# Altium PCB в2буекяиголоп.PcbDoc (continued)
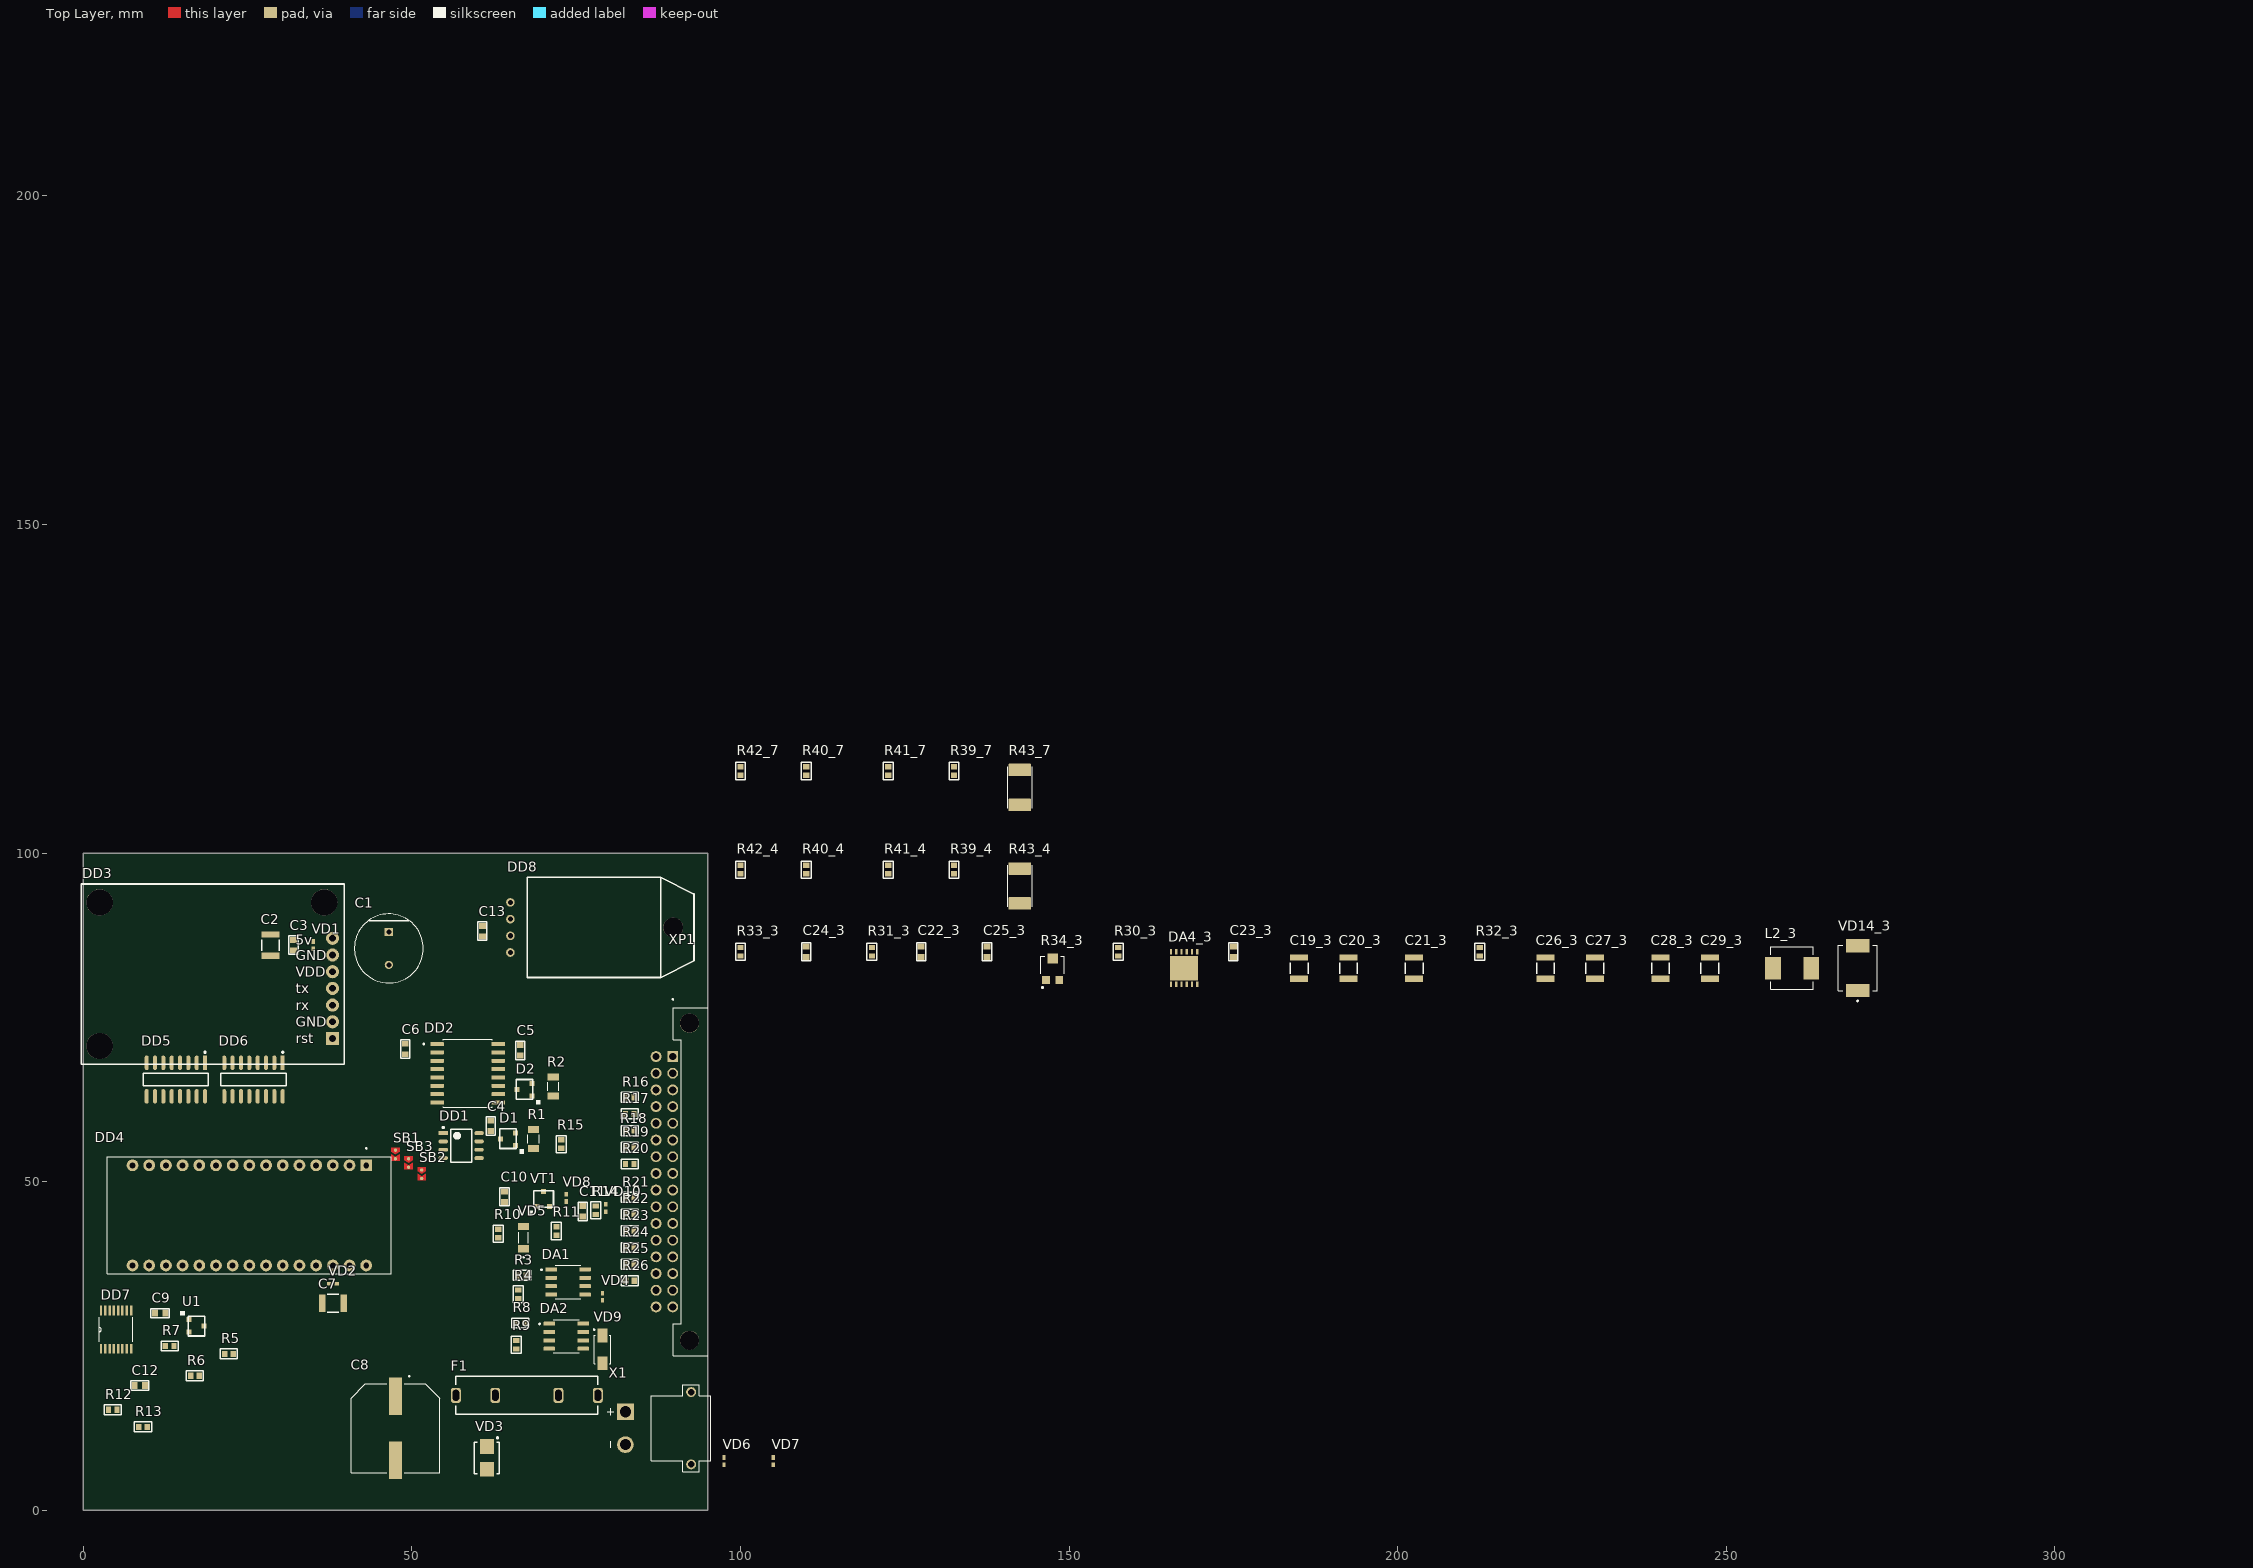
[diagram p0: Top Layer view]
## Components (designator, comment, footprint, x,y, rotation, side; value= is the part's Value field where it differs from the comment) (continued)
R35_2 "Resistor" 0603R 254.734,158.134 r90 bottom value="15 к" (schematic designator R35)
R35_3 "Resistor" 0603R 254.734,170.326 r90 bottom value="15 к" (schematic designator R35)
R35_4 "Resistor" 0603R 162.786,182.518 r90 bottom value="15 к" (schematic designator R35)
R35_5 "Resistor" 0603R 254.734,194.71 r90 bottom value="15 к" (schematic designator R35)
R35_6 "Resistor" 0603R 254.734,206.902 r90 bottom value="15 к" (schematic designator R35)
R35_7 "Resistor" 0603R 162.786,219.094 r90 bottom value="15 к" (schematic designator R35)
R36_1 "Resistor" 0603R 221.079,145.942 r90 bottom value="15 к" (schematic designator R36)
R36_2 "Resistor" 0603R 224.127,158.134 r90 bottom value="15 к" (schematic designator R36)
R36_3 "Resistor" 0603R 224.127,170.326 r90 bottom value="15 к" (schematic designator R36)
R36_4 "Resistor" 0603R 193.647,182.518 r90 bottom value="15 к" (schematic designator R36)
R36_5 "Resistor" 0603R 224.127,194.71 r90 bottom value="15 к" (schematic designator R36)
R36_6 "Resistor" 0603R 224.127,206.902 r90 bottom value="15 к" (schematic designator R36)
R36_7 "Resistor" 0603R 193.647,219.094 r90 bottom value="15 к" (schematic designator R36)
R37_1 "Resistor" 0603R 172.565,145.942 r90 bottom value="15 к" (schematic designator R37)
R37_2 "Resistor" 0603R 173.581,158.134 r90 bottom value="15 к" (schematic designator R37)
R37_3 "Resistor" 0603R 173.581,170.326 r90 bottom value="15 к" (schematic designator R37)
R37_4 "Resistor" 0603R 151.864,182.518 r90 bottom value="15 к" (schematic designator R37)
R37_5 "Resistor" 0603R 173.581,194.71 r90 bottom value="15 к" (schematic designator R37)
R37_6 "Resistor" 0603R 173.581,206.902 r90 bottom value="15 к" (schematic designator R37)
R37_7 "Resistor" 0603R 151.864,219.094 r90 bottom value="15 к" (schematic designator R37)
R38_1 "Resistor" 0603R 240.383,145.942 r90 bottom value="1,0 к" (schematic designator R38)
R38_2 "Resistor" 0603R 243.939,158.134 r90 bottom value="1,0 к" (schematic designator R38)
R38_3 "Resistor" 0603R 243.939,170.326 r90 bottom value="1,0 к" (schematic designator R38)
R38_4 "Resistor" 0603R 214.475,180.105 r90 bottom value="1,0 к" (schematic designator R38)
R38_5 "Resistor" 0603R 243.939,194.71 r90 bottom value="1,0 к" (schematic designator R38)
R38_6 "Resistor" 0603R 243.939,206.902 r90 bottom value="1,0 к" (schematic designator R38)
R38_7 "Resistor" 0603R 214.475,216.681 r90 bottom value="1,0 к" (schematic designator R38)
R39_1 "Resistor" 0603R 202.41,145.942 r90 bottom value="1,0 к" (schematic designator R39)
R39_2 "Resistor" 0603R 204.442,158.134 r90 bottom value="1,0 к" (schematic designator R39)
R39_3 "Resistor" 0603R 204.442,170.326 r90 bottom value="1,0 к" (schematic designator R39)
R39_4 "Resistor" 0603R 132.5,97.5 r90 top value="1,0 к" (schematic designator R39)
R39_5 "Resistor" 0603R 204.442,194.71 r90 bottom value="1,0 к" (schematic designator R39)
R39_6 "Resistor" 0603R 204.442,206.902 r90 bottom value="1,0 к" (schematic designator R39)
R39_7 "Resistor" 0603R 132.5,112.5 r90 top value="1,0 к" (schematic designator R39)
R40_1 "Resistor" 0603R 162.278,145.942 r90 bottom value="1,0 к" (schematic designator R40)
R40_2 "Resistor" 0603R 162.786,158.134 r90 bottom value="1,0 к" (schematic designator R40)
R40_3 "Resistor" 0603R 162.786,170.326 r90 bottom value="1,0 к" (schematic designator R40)
R40_4 "Resistor" 0603R 110,97.5 r90 top value="1,0 к" (schematic designator R40)
R40_5 "Resistor" 0603R 162.786,194.71 r90 bottom value="1,0 к" (schematic designator R40)
R40_6 "Resistor" 0603R 162.786,206.902 r90 bottom value="1,0 к" (schematic designator R40)
R40_7 "Resistor" 0603R 110,112.5 r90 top value="1,0 к" (schematic designator R40)
R41_1 "Resistor" 0603R 192.123,145.942 r90 bottom value="10 к" (schematic designator R41)
R41_2 "Resistor" 0603R 193.647,158.134 r90 bottom value="10 к" (schematic designator R41)
R41_3 "Resistor" 0603R 193.647,170.326 r90 bottom value="10 к" (schematic designator R41)
R41_4 "Resistor" 0603R 122.5,97.5 r90 top value="10 к" (schematic designator R41)
R41_5 "Resistor" 0603R 193.647,194.71 r90 bottom value="10 к" (schematic designator R41)
R41_6 "Resistor" 0603R 193.647,206.902 r90 bottom value="10 к" (schematic designator R41)
R41_7 "Resistor" 0603R 122.5,112.5 r90 top value="10 к" (schematic designator R41)
R42_1 "Resistor" 0603R 151.864,145.942 r90 bottom value="5,1 к" (schematic designator R42)
R42_2 "Resistor" 0603R 151.864,158.134 r90 bottom value="5,1 к" (schematic designator R42)
R42_3 "Resistor" 0603R 151.864,170.326 r90 bottom value="5,1 к" (schematic designator R42)
R42_4 "Resistor" 0603R 100,97.5 r90 top value="5,1 к" (schematic designator R42)
R42_5 "Resistor" 0603R 151.864,194.71 r90 bottom value="5,1 к" (schematic designator R42)
R42_6 "Resistor" 0603R 151.864,206.902 r90 bottom value="5,1 к" (schematic designator R42)
R42_7 "Resistor" 0603R 100,112.5 r90 top value="5,1 к" (schematic designator R42)
R43_1 "Resistor" 2512R 211.935,143.529 r90 bottom value=510 (schematic designator R43)
R43_2 "Resistor" 2512R 214.475,155.721 r90 bottom value=510 (schematic designator R43)
R43_3 "Resistor" 2512R 214.475,167.913 r90 bottom value=510 (schematic designator R43)
R43_4 "Resistor" 2512R 142.5,95 r90 top value=510 (schematic designator R43)
R43_5 "Resistor" 2512R 214.475,192.297 r90 bottom value=510 (schematic designator R43)
R43_6 "Resistor" 2512R 214.475,204.489 r90 bottom value=510 (schematic designator R43)
R43_7 "Resistor" 2512R 142.5,110 r90 top value=510 (schematic designator R43)
R44 "Resistor" 0603R 58.893,26.007 r90 bottom value="1,0 к"
R45 "TC33X-2-102E" 3mm_trim 71.8,23.55 r0 bottom value="1 к"
R46 "Resistor" 0603R 71.2,20.65 r180 bottom value="10 к"
R47 "Resistor" 0603R 70,27.4 r90 bottom value="100 к"
R48 "Resistor" 0603R 37.106,11.246 r90 bottom value="10 к"
R49 "Resistor" 0603R 37.1,8.2 r90 bottom value=470
R50 "TC33X-2-101E" 3mm_trim 36.2,4.5 r0 bottom value=100
SB1 "SB" 0805SB 46.875,55.2 r270 top
SB2 "SB" 0805SB 50.875,52.2 r270 top
SB3 "SB" 0805SB 48.875,53.9 r270 top
U1 "UMW TL431 0.5%" SOT23-3 16.067,29.022 r0 top
VD1 "PESD5V0S1UB" SOD523 35,86 r270 top value="5 В"
VD2 "PESD5V0S1UB" SOD523 38,34.5 r0 top value="5 В"
VD3 "SMBJ13A-TR" SMB 61.433,7.978 r270 top value="13 В"
VD4 "PESD5V0S1UB" SOD523 79,32.5 r270 top value="5 В"
VD5 "BZV55B2V4" mini_MELF_3.5mm 67,41.5 r90 top value="2.4 В"
VD6 "PESD5V0S1UB" SOD523 97.5,7.5 r90 top value="5 В"
VD7 "PESD5V0S1UB" SOD523 105,7.5 r90 top value="5 В"
VD8 "PESD5V0S1UB" SOD523 73.5,47.55 r270 top value="5 В"
VD9 "SMAJ12CA" SMA 79,24.5 r270 top value="12 В"
VD10 "PESD5V0S1UB" SOD523 79.5,46 r270 top value="5 В"
VD11 "SMAJ12CA" SMA 92.5,64 r270 bottom value="12 В"
VD12 "BAT54WS" SOD-323 23.1,25.775 r0 bottom
VD13 "10S45SP" TO-277 3.6,20 r90 bottom
VD14_1 "SK810" SMC 312.096,116.351 r90 bottom (schematic designator VD14)
VD14_2 "SK810" SMC 320.732,130.575 r90 bottom (schematic designator VD14)
VD14_3 "SK810" SMC 270,82.5 r90 top (schematic designator VD14)
VD15 "BAT54WS" SOD-323 68.3,30.65 r0 bottom
VD16 "15MQ040N" SMA 47.4,26.75 r270 bottom
VD17 "15MQ040N" SMA 47,16.8 r180 bottom
VT1 "bc807" SOT23-3 69.047,46.214 r90 top
X1 "XT30PW-M" XT30PW-M 92.5,12.5 r270 top
XP1 "DIN41612_32_2row_right_angle_father" DIN41612_32_2row_right_angle_father 95,50 r90 top

## Footprints (in the part's own frame and the unit in brackets; to place one, negate y for a bottom-side part, rotate by r counter-clockwise, add the part's x,y. Pads: shape width x height; smd on the part's side, far side on the other; paste and mask are expansions set on the pad)
3mm_trim [mm]
  rect 1.2x1.2 smd: 1(-1.8,1) 3(-1.8,-1)
  rect 1.5x1.6 smd: 2(1.45,0)
  silkscreen extent -3.07,-1.8 1.8,1.8, body extent -1.9,-1.5 1.9,1.5, height 1.19
8SOP(Exposed_Pad) [mm]
  rect 1.55x0.6 smd: 1(-2.7,1.905) 2(-2.7,0.635) 3(-2.7,-0.635) 4(-2.7,-1.905) 5(2.7,-1.905) 6(2.7,-0.635) 7(2.7,0.635) 8(2.7,1.905)
  rect 2.3x2.3 smd paste-2: 9(0,0)
  silkscreen extent -1.55,-2.45 1.55,2.45, body extent -3,-2.45 3,2.45, height 1.75
10x20_radial [mm]
  rect 1.25x1.25 hole 0.75 paste-2539.97 mask+0: 1(-2.5,0)
  round 1.25 hole 0.75 paste-2539.97 mask+0: 2(2.5,0)
  silkscreen extent -5.25,-5.25 5.25,5.25, body extent -5.35,-5.35 5.35,5.35, height 0.25
0603C [mm] "Chip Resistor, 2-Leads, Body 1,40x0,80mm, IPC Medium Density"
  rect 0.9x1.05 smd: 1(-0.8,0) 2(0.8,0)
  silkscreen extent -1.4,-0.7 1.4,0.7, body extent -0.85,-0.45 0.85,0.45, height 0.9
0603R [mm] "Chip Resistor, 2-Leads, Body 1.60x0.85mm, IPC Medium Density"
  rect 0.8x0.95 smd: 1(-0.65,0) 2(0.65,0)
  silkscreen extent -1.3,-0.75 1.3,0.75, body extent -0.87,-0.47 0.88,0.48, height 0.9
0805SB [mm]
  round 0.5 smd: 1(0.4,0.625) 2(1.7,0.625)
  Top Layer region: 1,1.25 1.4,0.625 1,0 2,0 2,1.25
  Top Layer region: 0,1
  Top Layer region: 0,1.25
  Top Layer region: 0,1.25 0,0 0.6,0 1,0.625 0.6,1.25
1206C [mm]
  rect 1.4x2 smd paste+0 mask+0: 1(-1.8,0) 2(1.8,0)
  silkscreen extent -0.85,-1.35 0.85,1.35, body extent -1.6,-0.74 1.6,0.86, height 1.59
1206R [mm]
  rect 1.05x1.72 smd: 1(-1.46,0) 2(1.46,0)
  silkscreen extent -0.62,-0.85 0.62,0.85, body extent -1.55,-0.77 1.55,0.78, height 0.65
1210C [mm]
  rect 0.954x2.706 smd paste+0 mask+0: 1(-1.625,0) 2(1.625,0)
  silkscreen extent -0.85,-1.35 0.85,1.35, body extent -2.35,-1.6 2.35,1.6, height 0.25
2512R [mm]
  rrect7% 1.9x3.37 smd: 1(-2.66,0) 2(2.66,0)
  silkscreen extent -3.15,-1.87 3.15,1.87, body extent -3.18,-1.6 3.17,1.6, height 0.65
arduino_nano [mm]
  rect 1.8x1.8 / inner round 1.8 / far side rect 1.8x1.8 hole 0.9: 1(-7.62,17.78)
  round 1.8 hole 0.9: 2(-7.62,15.24) 3(-7.62,12.7) 4(-7.62,10.16) 5(-7.62,7.62) 6(-7.62,5.08) 7(-7.62,2.54) 8(-7.62,0) 9(-7.62,-2.54) 10(-7.62,-5.08) 11(-7.62,-7.62) 12(-7.62,-10.16) 13(-7.62,-12.7) 14(-7.62,-15.24) 15(-7.62,-17.78) 16(7.62,-17.78) 17(7.62,-15.24) 18(7.62,-12.7) 19(7.62,-10.16) 20(7.62,-7.62) 21(7.62,-5.08) 22(7.62,-2.54) 23(7.62,0) 24(7.62,2.54) 25(7.62,5.08) 26(7.62,7.62) 27(7.62,10.16) 28(7.62,12.7) 29(7.62,15.24) 30(7.62,17.78)
  silkscreen extent -10.3,-21.59 8.89,21.59, body extent -8.89,-23.4 8.89,21.59, height 21.25
B82462G4 [mm]
  rect 1.5x2.4 smd: 1(-2.75,0) 2(2.75,0)
  silkscreen extent -3.15,-3.15 3.15,3.15, body extent -3.15,-3.15 3.15,3.15, height 3
DHT22 [mm]
  round 1.308 hole 0.8: DATA(-1.27,0) GND(3.81,0) NC(1.27,0) VDD(-3.81,0)
  round 3 hole 3 unplated: ""(0,24.765)
  silkscreen extent -7.62,2.54 7.62,27.94, body extent -7.55,-0.25 7.55,27.64, height 7.7
DIN41612_32_2row_right_angle_father [mm]
  rect 1.65x1.65 / inner round 1.65 / far side rect 1.65x1.65 hole 1.1: A1(19.05,5.3)
  round 1.65 hole 1.1: A2(16.51,5.3) A3(13.97,5.3) A4(11.43,5.3) A5(8.89,5.3) A6(6.35,5.3) A7(3.81,5.3) A8(1.27,5.3) A9(-1.27,5.3) A10(-3.81,5.3) A11(-6.35,5.3) A12(-8.89,5.3) A13(-11.43,5.3) A14(-13.97,5.3) A15(-16.51,5.3) A16(-19.05,5.3) B1(19.05,7.84) B2(16.51,7.84) B3(13.97,7.84) B4(11.43,7.84) B5(8.89,7.84) B6(6.35,7.84) B7(3.81,7.84) B8(1.27,7.84) B9(-1.27,7.84) B10(-3.81,7.84) B11(-6.35,7.84) B12(-8.89,7.84) B13(-11.43,7.84) B14(-13.97,7.84) B15(-16.51,7.84) B16(-19.05,7.84)
  round 2.9 hole 2.9 unplated: ""(-24.13,2.76) ""(24.13,2.76)
  silkscreen extent -26.5,0 27.85,5.4, body extent -26.52,-7.28 26.54,8.19, height 8.47
fuse_20x5_on_clips_FC-M [mm]
  rrect50% 1.5x2.3 hole 1 slot 1.7 at 90 deg: 1(4.8,0) 1(10.8,0) 2(-10.8,0) 2(-4.8,0)
  silkscreen extent -10.8,-2.9 10.8,2.9, body extent -10.8,-2.9 10.8,2.9, height 8.05
IHLP-2525 [mil]
  rect 95x135 smd: 1(-115,0) 2(115,0)
  silkscreen extent -127,-127 127,127, body extent -135,-127 135,127, height 118
IHLP-4040 [mil]
  rect 125x195 smd paste+0 mask+0: 1(-177.5,0) 2(177.5,0)
  silkscreen extent -202,-202 202,203, body extent -213,-200 213,200, height 158
mini_MELF_3.5mm [mm]
  rect 1.11x1.73 smd: 1(1.705,0) 2(-1.705,0)
  silkscreen extent -3.1,-0.75 0.83,0.75, body extent -1.75,-0.8 1.75,0.8, height 1.6
sim800l [mm]
  rect 2x2 hole 1: 1(0,0)
  round 2 hole 1: 2(0,2.54) 3(0,5.08) 4(0,7.62) 5(0,10.16) 6(0,12.7) 7(0,15.24)
  round 4 hole 4 unplated: 8(-35.433,-1.143) 8(-35.433,20.701) 8(-1.27,20.701)
  silkscreen extent -38.23,-3.94 1.77,23.5, body extent -38.2,-4.01 1.65,23.56, height 16.46
SMA [mm]
  rect 2.12x1.5 smd: 1(2.115,0) 2(-2.115,0)
  silkscreen extent -3.1,-1.35 2.16,1.28, body extent -2.57,-1.28 2.57,1.28, height 2.5
SMB [mm] "Diod"
  rect 2.25x2.1 smd: 1(1.725,0) 2(-1.725,0)
  silkscreen extent -3.17,-1.9 2.4,1.9, body extent -2.57,-1.9 2.57,1.9, height 2.4
SMC [mm]
  rect 2x3.6 smd: 1(3.415,0.021) 2(-3.385,0.021)
  silkscreen extent -5.08,-2.93 3.45,2.97, body extent -3.96,-2.93 3.99,2.97, height 2.65
SMD_cap_12,5x13,5 [mm]
  rect 5.7x2 smd: 1(-4.85,0) 2(4.85,0)
  silkscreen extent -8,-6.75 6.75,6.75, body extent -7.45,-6.75 7.45,6.75, height 13.5
SOD523 [mm]
  rect 0.7x0.5 smd: 1(0.55,0) 2(-0.55,0)
  body extent -0.8,-0.4 0.8,0.4, height 0.65
SOD-323 [mm]
  rect 1.04x0.46 smd: 1(1.19,0) 2(-1.19,0)
  silkscreen extent -1.55,-0.8 0.85,0.65, body extent -1.25,-0.65 1.25,0.65, height 1.2
SOIC-8 [mm] "for operational amplifier"
  rect 1.45x0.6 smd: 1(-2.725,1.905)
  oval 1.45x0.6 smd: 2(-2.725,0.635) 3(-2.725,-0.635) 4(-2.725,-1.905) 5(2.725,-1.905) 6(2.725,-0.635) 7(2.725,0.635) 8(2.725,1.905)
  silkscreen extent -2.85,-2.5 1.6,2.88, body extent -3,-2.5 3,2.5, height 1.75
SOIC-16 [mm] "SOT109-1"
  rect 2.204x0.608 smd paste+0 mask+0: 1(-2.551,4.445)
  rrect100% 2.204x0.608 smd paste+0 mask+0: 2(-2.551,3.175) 3(-2.551,1.905) 4(-2.551,0.635) 5(-2.551,-0.635) 6(-2.551,-1.905) 7(-2.551,-3.175) 8(-2.551,-4.445) 9(2.551,-4.445) 10(2.551,-3.175) 11(2.551,-1.905) 12(2.551,-0.635) 13(2.551,0.635) 14(2.551,1.905) 15(2.551,3.175) 16(2.551,4.445)
  silkscreen extent -4.28,-4.95 0.95,4.95, body extent -4.15,-5.45 4.15,5.45, height 0.25
SOIC-16W [mm]
  rrect25% 2.05x0.6 smd: 1(-4.655,4.445) 2(-4.655,3.175) 3(-4.655,1.905) 4(-4.655,0.635) 5(-4.655,-0.635) 6(-4.655,-1.905) 7(-4.655,-3.175) 8(-4.655,-4.445) 9(4.655,-4.445) 10(4.655,-3.175) 11(4.655,-1.905) 12(4.655,-0.635) 13(4.655,0.635) 14(4.655,1.905) 15(4.655,3.175) 16(4.655,4.445)
  silkscreen extent -6.78,-5.15 3.75,5.15, body extent -5.16,-5.15 5.16,5.15, height 2.65
SOP8 [mm]
  rrect25% 1.76x0.6 smd: 1(-2.58,1.905) 2(-2.58,0.635) 3(-2.58,-0.635) 4(-2.58,-1.905) 5(2.58,-1.905) 6(2.58,-0.635) 7(2.58,0.635) 8(2.58,1.905)
  silkscreen extent -4.16,-2.52 1.95,2.52, body extent -3,-2.42 3,2.42, height 2.1
SOT23-3 [mil]
  rect 30x30 smd: 1(0,0) 2(0,-75) 3(90,-37.5)
  silkscreen extent -50,-98 94,50, body extent -4,-97 94,21, height 41
SOT23-6 [mm]
  rect 0.6x1.2 smd: 1(-0.95,-1.15) 2(0,-1.15) 3(0.95,-1.15) 4(0.95,1.15) 5(0,1.15) 6(-0.95,1.15)
  silkscreen extent -1.52,-0.61 1.52,0.61, body extent -1.46,-1.4 1.46,1.4, height 1.4
TO-277 [mm]
  rect 1.4x1.6 smd: 1(-2.775,-1.05) 1(-2.775,1.05)
  rect 5x5 smd paste-3: 2(0.975,0)
  silkscreen extent -4.3,-2.2 -1.88,2.2, body extent -3.25,-2.3 3.25,2.3, height 1.2
TSSOP-16 [mil]
  rect 58x14 smd: 1(-115,90) 2(-115,64) 3(-115,38) 4(-115,13) 5(-115,-13) 6(-115,-38) 7(-115,-64) 8(-115,-90) 9(115,-90) 10(115,-64) 11(115,-38) 12(115,-13) 13(115,13) 14(115,38) 15(115,64) 16(115,90)
  silkscreen extent -74,-100 74,100, body extent -126,-98 126,98, height 43
WDFN5x5-12 [mm]
  rect 0.35x0.85 smd: 1(-2,-2.475) 2(-1.2,-2.475) 3(-0.4,-2.475) 4(0.4,-2.475) 5(1.2,-2.475) 6(2,-2.475) 7(2,2.475) 8(1.2,2.475) 9(0.4,2.475) 10(-0.4,2.475) 11(-1.2,2.475) 12(-2,2.475)
  rect 4.3x3.7 smd: 13(0,0)
  body extent -2.5,-2.5 2.5,2.5, height 0.75
XT30PW-M [mm]
  round 2.55 hole 1.7: N(2.5,-10)
  rect 2.55x2.55 / inner round 2.55 / far side rect 2.55x2.55 hole 1.7: P(-2.5,-10)
  round 1.508 hole 1: S1(5.5,0) S2(-5.5,0)
  silkscreen extent -6.65,-12.75 6.65,2.95, body extent -6.65,-11 6.65,2.95, height 5

## Part data
C1: library part Capacitor_2200u_10V_10x20, "Конденсатор радиальный 2200мкФ 10В ±20% 10*19", Capacity (uF)=2200, TOLERANCE=20, Voltage (V)=10, Part Number=Capacitor_2200u_10V_10x20, Type=Aluminum
C2 C7 C17 C18 C33 C34 C35 C38: library part Capacitor_22u_10_25V_X7R_1210C, "Конденсатор", Capacity (nF)=22000, Dielectric=X7R, TOLERANCE=0,1, Voltage (V)=25, Part Number=Capacitor_22u_10_25V_X7R_1210C
C3 C4 C5 C6 C9 C10 C11 C13: library part Capacitor_0,1u_10_50V_X7R_0603C, "Конденсатор", Capacity (nF)=100, Dielectric=X7R, TOLERANCE=0,1, Voltage (V)=50, Part Number=Capacitor_0,1u_10_50V_X7R_0603C
C8: library part EEVFK1E102Q, "Конденсатор алюминиевый электролитический 1000мкФ 25В 20% Low ESR 1100мА SMD12.5x13.5мм", Capacity (uF)=1000, TOLERANCE=20, Voltage (V)=25, Part Number=EEVFK1E102Q, Type=Aluminum
C12 C22_1 C22_2 C22_3 C23_1 C23_2 C23_3: library part Capacitor_1u_10_50V_X7R_0603C, "Конденсатор", Capacity (nF)=1000, Dielectric=X7R, TOLERANCE=0,1, Voltage (V)=50, Part Number=Capacitor_1u_10_50V_X7R_0603C
C14 C15 C30 C31 C36 C37: library part Capacitor_4,7u_10_50V_X7R_1206C, "Конденсатор", Capacity (nF)=4700, Dielectric=X7R, TOLERANCE=0,1, Voltage (V)=50, Part Number=Capacitor_4,7u_10_50V_X7R_1206C
C16 C32: library part Capacitor_10n_10_50V_X7R_0603C, "Конденсатор", Capacity (nF)=10, Dielectric=X7R, TOLERANCE=0,1, Voltage (V)=50, Part Number=Capacitor_10n_10_50V_X7R_0603C
C19_1 C19_2 C19_3 C20_1 C20_2 C20_3 C21_1 C21_2 C21_3 C26_1 C26_2 C26_3 C27_1 C27_2 C27_3 C28_1 C28_2 C28_3 C29_1 C29_2 C29_3: library part Capacitor_10u_10_35V_X7R_1210C, "Конденсатор", Capacity (nF)=10000, Dielectric=X7R, TOLERANCE=0,1, Voltage (V)=35, Part Number=Capacitor_10u_10_35V_X7R_1210C
C24_1 C24_2 C24_3: library part Capacitor_1n_10_50V_X7R_0603C, "Конденсатор", Capacity (nF)=1, Dielectric=X7R, TOLERANCE=0,1, Voltage (V)=50, Part Number=Capacitor_1n_10_50V_X7R_0603C
C25_1 C25_2 C25_3: library part Capacitor_33n_10_50V_X7R_0603C, "Конденсатор", Capacity (nF)=33, Dielectric=X7R, TOLERANCE=0,1, Voltage (V)=50, Part Number=Capacitor_33n_10_50V_X7R_0603C
D1 D2: "Защитный диод для линии RS-485", Interface=RS-485, Part Number=PSM712
DA1 DA2 DA5_1 DA5_2 DA5_3 DA5_4 DA5_5 DA5_6 DA5_7 DA6_1 DA6_2 DA6_3 DA6_4 DA6_5 DA6_6 DA6_7 DA7_1 DA7_2 DA7_3 DA7_4 DA7_5 DA7_6 DA7_7: "Силовой ключ верхнего плеча с аналоговой обратной связью MultiSense автомобильного применения", Part Number=VN7140AS
DA3 DA8: "Преобразователь постоянного тока понижающий подстраиваемый выход 5А", Part Number=RT8279GSP
DA4_1 DA4_2 DA4_3: "Импульсный повышающий DC-DC стабилизатор, регулируемый, 2.8В-14В (Vin), 24В/4.5A, 1.5МГц, WDFN-12", Part Number=RT8509A
DD1: "RS-485 приёмопередатчик", Part Number=MAX485CSA
DD2: "Прием передатчик RS485 с гальванической развязкой", Part Number=ADM2483BRWZ
DD3: "Четырехдиапазонный GSM/GPRS модуль, частоты: GSM 850 МГц, EGSM 900 МГц, DCS 1800 МГц и PCS 1900 МГц.", Part Number=sim800l
DD4: "ардуинка на стойках", Package="Non-Standard Arduino", Availability="Not in stock", Check_prices=https://www.snapeda.com/parts/Arduino%20Nano/Arduino/view-part/?ref=eda, MF=Arduino, MP="Arduino Nano", Part Number=arduino_nano, PRICE=None, SnapEDA_Link=https://www.snapeda.com/parts/Arduino%20Nano/Arduino/view-part/?ref=snap
DD5 DD6: "8-ми битный сдвиговый регистр", Part Number=MC74HC595ADR2G
DD7: "Мультиплексор аналоговый 8 в 1 КМОП кристалл, TSSOP16", Part Number=74HC4051PW,118
DD8: "Датчик температуры и влажности на базе AM2302", Part Number=DHT22
DD9: "Повышающий/SEPIC DC-DC преобразователь 2А 1.2МГц", Part Number=MT3608
F1: "Предохранитель 20*5 на креплениях", Part Number="Fuse 20x5 on clips FC-M"
L1: "ЧИП-индуктивность экранированная 33мкГн ±20% 4,4A 94,5мОм 4040", Current (A)=4,4, Inductance (μH)=33, Part Number=IHLP4040DZER330M11
L2_1 L2_2 L2_3: "ЧИП-индуктивность экранированная 4,7мкГн ±20% 5,5A 40мОм 2525", Current (A)=5,5, Inductance (μH)=4,7, Part Number=IHLP2525CZER4R7M01
L3: "ЧИП-индуктивность экранированная 22мкГн ±20% 5A 66мОм 4040 лента на катушке", Current (A)=5, Inductance (μH)=22, Part Number=IHLP4040DZER220M11
L4 L5: "ЧИП-индуктивность 22мкГн, 1.05A, ±20% катушка", Current (A)=1.05, Inductance (μH)=22, Part Number=B82462G4223M
R1 R2: library part Resistor_120_1_0603, "Резистор номиналом 120 Ом и точностью 1%", TOLERANCE=1%, Part Number=Resistor_120_1_0603
R3 R8 R35_1 R35_2 R35_3 R35_4 R35_5 R35_6 R35_7 R36_1 R36_2 R36_3 R36_4 R36_5 R36_6 R36_7 R37_1 R37_2 R37_3 R37_4 R37_5 R37_6 R37_7: library part Resistor_15k_1_0603, "Резистор номиналом 15 кОм и точностью 1%", TOLERANCE=1%, Part Number=Resistor_15k_1_0603
R4 R5 R6 R7 R9 R27 R38_1 R38_2 R38_3 R38_4 R38_5 R38_6 R38_7 R39_1 R39_2 R39_3 R39_4 R39_5 R39_6 R39_7 R40_1 R40_2 R40_3 R40_4 R40_5 R40_6 R40_7 R44: library part Resistor_1.0k_1_0603, "Резистор номиналом 1,0 кОм и точностью 1%", TOLERANCE=1%, Part Number=Resistor_1.0k_1_0603
R10 R42_1 R42_2 R42_3 R42_4 R42_5 R42_6 R42_7: library part Resistor_5.1k_1_0603, "Резистор номиналом 5,1 кОм и точностью 1%", TOLERANCE=1%, Part Number=Resistor_5.1k_1_0603
R11: library part Resistor_1.8k_1_0603, "Резистор номиналом 1,8 кОм и точностью 1%", TOLERANCE=1%, Part Number=Resistor_1.8k_1_0603
R12: library part Resistor_18k_1_0603, "Резистор номиналом 18 кОм и точностью 1%", TOLERANCE=1%, Part Number=Resistor_18k_1_0603
R13 R15 R33_1 R33_2 R33_3 R41_1 R41_2 R41_3 R41_4 R41_5 R41_6 R41_7 R46 R48: library part Resistor_10k_1_0603, "Резистор номиналом 10 кОм и точностью 1%", TOLERANCE=1%, Part Number=Resistor_10k_1_0603
R14 R29 R47: library part Resistor_100k_1_0603, "Резистор номиналом 100 кОм и точностью 1%", TOLERANCE=1%, Part Number=Resistor_100k_1_0603
R16 R17 R18 R19 R20 R21 R22 R23 R24 R25 R26 R30_1 R30_2 R30_3: library part Resistor_10_1_0603, "Резистор номиналом 10 Ом и точностью 1%", TOLERANCE=1%, Part Number=Resistor_10_1_0603
R28: library part Resistor_31.6k_1_0603, "Резистор номиналом 31,6 кОм и точностью 1%", TOLERANCE=1%, Part Number=Resistor_31.6k_1_0603
R31_1 R31_2 R31_3: library part Resistor_56_1_0603, "Резистор номиналом 56 Ом и точностью 1%", TOLERANCE=1%, Part Number=Resistor_56_1_0603
R32_1 R32_2 R32_3: library part Resistor_130k_1_0603, "Резистор номиналом 130 кОм и точностью 1%", TOLERANCE=1%, Part Number=Resistor_130k_1_0603
R34_1 R34_2 R34_3: "Потенциометр однооборотный керметный 50кОм 0.1Вт ±25% SMD лента на катушке", TOLERANCE=50%, Part Number=TC33X-2-503E
R43_1 R43_2 R43_3 R43_4 R43_5 R43_6 R43_7: library part Resistor_510_1_0603, "Резистор номиналом 510 Ом и точностью 1%", TOLERANCE=1%, Part Number=Resistor_510_1_0603
R45: "Потенциометр керметный 1кОм 0.1Вт для поверхностного монтажа", TOLERANCE=50%, Part Number=TC33X-2-102E
R49: library part Resistor_470_1_0603, "Резистор номиналом 470 Ом и точностью 1%", TOLERANCE=1%, Part Number=Resistor_470_1_0603
R50: "Потенциометр керметный 100 Ом 0.1Вт для поверхностного монтажа", TOLERANCE=50%, Part Number=TC33X-2-101E
SB1 SB2 SB3: "Solder bridge, мост припоя, запаиваемая перемычка, net tie, jumper", Part Number=SB
U1: "Источник опорного напряжения , программируемый стабилитрон [SOT-23-3]", Part Number="UMW TL431 0.5%"
VD1 VD2 VD4 VD6 VD7 VD8 VD10: "Защитный диод на 5 В, рассеиваемая мощность 330 Вт", Power (W)=330, Voltage nominal (V)=5, Part Number=PESD5V0S1UB
VD3: "Защитный диод на 13 В, рассеиваемая мощность 600 Вт", Power (W)=600, Voltage nominal (V)=13, Part Number=SMBJ13A-TR
VD5: "Стабилитрон на 2.4 В, рассеиваемая мощность 0.5 Вт", Current nominal (mA)=5, Power (W)=0.3, Voltage nominal (V)=2.4, Part Number=BZV55B2V4
VD9 VD11: "Защитный диод на 12 В, рассеиваемая мощность 400 Вт", Power (W)=400, Voltage nominal (V)=12, Part Number=SMAJ12CA
VD12 VD15: "Диод шоттки на 30 В, ном. ток 0.2 А", Current (A)=0.2, Voltage nominal (V)=30, Part Number=BAT54WS
VD13: "Диод шоттки на 45 В, ном. ток 10 А", Current (A)=10, Voltage nominal (V)=45, Part Number=10S45SP
VD14_1 VD14_2 VD14_3: "Диод шоттки на 100 В, ном. ток 8 А", Current (A)=8, Voltage nominal (V)=100, Part Number=SK810
VD16 VD17: "Диод шоттки на 40 В, ном. ток 2.1 А", Current (A)=2.1, Voltage nominal (V)=40, Part Number=15MQ040N
VT1: "Биполярный транзистор PNP 45В 0.5А 0.31Вт", Part Number=bc807, Напряжение С-И/К-Э="45 В", Ток макс#="0.5 А"
X1: "30 А (15 продолжительно), 2 контакта разъем угловой отец", Part Number=XT30PW-M
XP1: "DIN41612R (DS1118-32M0R23), Разъем (вилка) тип B 32pin (2х16), шаг 2.54мм двухрядный угловой (ряд АВ)", Part Number=DIN41612_32_2row_right_angle_father

## Nets (pads, with @x,y where several pads share a name; then routed paths per layer and width w, separated by ;. In a path a pad name is that pad's centre, name@x,y a point inside that pad or via, vN(x,y) a via of type N, cw(c..) or ccw(c..) an arc to the next point about the centre after c; other vN are vias at no path point)
+5: C7.1 C13.2 C17.2 C18.2 DA1.5 DA1.8 DD4.27 DD5.10 DD5.16 DD6.10 DD6.16 DD7.7 DD7.16 DD8.VDD L1.2 R15.2 R29.2 VD2.2 VD12.1 VD15.1
+5_pizdec_clean: C9.2 DD4.17 R5.2 R7.1 R21.1 U1.2
+5_sw: C1.1 C2.2 C3.2 C4.1 C5.2 C6.2 DA1.6 DA1.7 DD1.8 DD2.1 DD2.7 DD2.16 DD3.7 R26.1 VD1.2 VD4.2
+12_akkum: C8.1 C14.2 C15.2 C19_1.2 C19_2.2 C19_3.2 C20_1.2 C20_2.2 C20_3.2 C21_1.2 C21_2.2 C21_3.2 C33.2 C34.2 C35.2 DA2.5 DA2.8 DA3.7 DD9.5 F1.2 L2_1.1 L2_2.1 L2_3.1 L3.2 L4.1 R12.2 R27.2 R30_1.2 R30_2.2 R30_3.2 R47.2 VD3.2
+12_stable: C38.2 R7.2 R11.2 R48.2 VD5.2 VD11.2 VD17.2 XP1.A1 XP1.A2
+12_vilka: DA2.6 DA2.7 VD9.2 XP1.A3
+14: C30.2 C31.2 DA5_1.6 DA5_1.7 DA5_2.6 DA5_2.7 DA5_3.6 DA5_3.7 DA5_4.6 DA5_4.7 DA5_5.6 DA5_5.7 DA5_6.6 DA5_6.7 DA5_7.6 DA5_7.7 DA8.7 R44.2
+24_1: C23_1.1 C26_1.2 C27_1.2 C28_1.2 C29_1.2 DA4_1.10 DA7_1.5 DA7_1.8 DA7_2.5 DA7_2.8 DA7_3.5 DA7_3.8 R32_1.2 VD14_1.2
+24_2: C23_2.1 C26_2.2 C27_2.2 C28_2.2 C29_2.2 DA4_2.10 DA7_4.5 DA7_4.8 DA7_5.5 DA7_5.8 DA7_6.5 DA7_6.8 R32_2.2 VD14_2.2
+24_3: C23_3.1 C26_3.2 C27_3.2 C28_3.2 C29_3.2 DA4_3.10 DA7_7.5 DA7_7.8 R32_3.2 VD14_3.2
A0: DD4.19 DD7.3
A1: C10.2 DD4.20 VD8.2 VT1.3 XP1.A9
A2: C11.2 DD4.21 R14.2 R22.1 VD10.2
ds18b20_1: DD4.11 DD8.DATA R25.1
ds18b20_2: DD4.23 R24.1
ds18b20_3: DD4.22 R23.1
en_akkum: DA5_1.1 DA5_2.1 DA5_3.1 DA5_4.1 DA5_5.1 DA5_6.1 DA5_7.1 DD6.1 VD6.2
en_ideal: DA6_1.1 DA6_2.1 DA6_3.1 DA6_4.1 DA6_5.1 DA6_6.1 DA6_7.1 DD6.15 VD7.2
en_jarka_1: DA7_1.1 DD5.15
en_jarka_2: DA7_2.1 DD5.1
en_jarka_3: DA7_3.1 DD5.2
en_jarka_4: DA7_4.1 DD5.3
en_jarka_5: DA7_5.1 DD5.4
en_jarka_6: DA7_6.1 DD5.5
en_jarka_7: DA7_7.1 DD5.6
en_jarka_dcdc: DA4_1.3 DA4_2.3 DA4_3.3 DD5.7
en_ox: DD6.2 DD9.4
en_sim: DA1.1 DD6.4
en_vilka: DA2.1 DD6.3
GND: C1.2 C2.1 C3.1 C4.2 C5.1 C6.1 C7.2 C8.2 C9.1 C10.1 C11.1 C12.1 C13.1 C14.1 C15.1 C17.1 C18.1 C19_1.1 C19_2.1 C19_3.1 C20_1.1 C20_2.1 C20_3.1 C21_1.1 C21_2.1 C21_3.1 C22_1.1 C22_2.1 C22_3.1 C23_1.2 C23_2.2 C23_3.2 C24_1.1 C24_2.1 C24_3.1 C25_1.2 C25_2.2 C25_3.2 C26_1.1 C26_2.1 C26_3.1 C27_1.1 C27_2.1 C27_3.1 C28_1.1 C28_2.1 C28_3.1 C29_1.1 C29_2.1 C29_3.1 C30.1 C31.1 C33.1 C34.1 C35.1 C38.1 D1.3 D2.3 DA1.3 DA2.3 DA3.2 DA3.3 DA3.6 DA3.9 DA4_1.4 DA4_1.5 DA4_1.6 DA4_1.9 DA4_1.13 DA4_2.4 DA4_2.5 DA4_2.6 DA4_2.9 DA4_2.13 DA4_3.4 DA4_3.5 DA4_3.6 DA4_3.9 DA4_3.13 DA5_1.3 DA5_2.3 DA5_3.3 DA5_4.3 DA5_5.3 DA5_6.3 DA5_7.3 DA6_1.3 DA6_2.3 DA6_3.3 DA6_4.3 DA6_5.3 DA6_6.3 DA6_7.3 DA7_1.3 DA7_2.3 DA7_3.3 DA7_4.3 DA7_5.3 DA7_6.3 DA7_7.3 DA8.2 DA8.3 DA8.6 DA8.9 DD1.5 DD2.2 DD2.9 DD3.2 DD3.6 DD4.4 DD4.29 DD5.8 DD5.13 DD6.8 DD6.13 DD7.6 DD7.8 DD8.GND DD9.2 L5.1 R3.1 R4.1 R6.1 R8.1 R9.1 R10.1 R13.1 R14.1 R28.1 R33_1.2 R33_2.2 R33_3.2 R35_1.1 R35_2.1 R35_3.1 R35_4.1 R35_5.1 R35_6.1 R35_7.1 R36_1.1 R36_2.1 R36_3.1 R36_4.1 R36_5.1 R36_6.1 R36_7.1 R37_1.1 R37_2.1 R37_3.1 R37_4.1 R37_5.1 R37_6.1 R37_7.1 R38_1.1 R38_2.1 R38_3.1 R38_4.1 R38_5.1 R38_6.1 R38_7.1 R39_1.1 R39_2.1 R39_3.1 R39_4.1 R39_5.1 R39_6.1 R39_7.1 R40_1.1 R40_2.1 R40_3.1 R40_4.1 R40_5.1 R40_6.1 R40_7.1 R42_1.1 R42_2.1 R42_3.1 R42_4.1 R42_5.1 R42_6.1 R42_7.1 R43_1.2 R43_2.2 R43_3.2 R43_4.2 R43_5.2 R43_6.2 R43_7.2 R46.1 R50.1 U1.3 VD1.1 VD2.1 VD3.1 VD4.1 VD6.1 VD7.1 VD8.1 VD9.1 VD10.1 VD11.1 VD13.1 VD16.1 X1.N XP1.A16 XP1.B15 XP1.B16
koncevik: DD4.9 R15.1 R20.1
latch: DD4.5 DD5.12 DD6.12
NetC12_2: C12.2 DD7.4 R12.1 R13.2
NetC16_1: C16.1 DA3.8 L1.1 VD13.2
NetC16_2: C16.2 DA3.1 VD12.2
NetC22_1_2: C22_1.2 DA4_1.11 R30_1.1
NetC22_2_2: C22_2.2 DA4_2.11 R30_2.1
NetC22_3_2: C22_3.2 DA4_3.11 R30_3.1
NetC24_1_2: C24_1.2 R31_1.2
NetC24_2_2: C24_2.2 R31_2.2
NetC24_3_2: C24_3.2 R31_3.2
NetC25_1_1: C25_1.1 DA4_1.12
NetC25_2_1: C25_2.1 DA4_2.12
NetC25_3_1: C25_3.1 DA4_3.12
NetC32_1: C32.1 DA8.8 L3.1 VD16.2
NetC32_2: C32.2 DA8.1 VD15.2
NetC36_1: C36.1 C37.1 DD9.1 L4.2
NetC36_2: C36.2 C37.2 L5.2 VD17.1
NetDA1_2: DA1.2 R3.2
NetDA1_4: DA1.4 R4.2
NetDA2_2: DA2.2 R8.2
NetDA2_4: DA2.4 R9.2
NetDA3_4: DA3.4 R28.2 R29.1
NetDA3_5: DA3.5 R27.1
NetDA4_1_1: DA4_1.1 R31_1.1
NetDA4_1_2: DA4_1.2 R33_1.1 R34_1.3
NetDA4_1_7: DA4_1.7 DA4_1.8 L2_1.2 VD14_1.1
NetDA4_2_1: DA4_2.1 R31_2.1
NetDA4_2_2: DA4_2.2 R33_2.1 R34_2.3
NetDA4_2_7: DA4_2.7 DA4_2.8 L2_2.2 VD14_2.1
NetDA4_3_1: DA4_3.1 R31_3.1
NetDA4_3_2: DA4_3.2 R33_3.1 R34_3.3
NetDA4_3_7: DA4_3.7 DA4_3.8 L2_3.2 VD14_3.1
NetDA5_1_2: DA5_1.2 R35_1.2
NetDA5_1_4: DA5_1.4 R38_1.2
NetDA5_2_2: DA5_2.2 R35_2.2
NetDA5_2_4: DA5_2.4 R38_2.2
NetDA5_3_2: DA5_3.2 R35_3.2
NetDA5_3_4: DA5_3.4 R38_3.2
NetDA5_4_2: DA5_4.2 R35_4.2
NetDA5_4_4: DA5_4.4 R38_4.2
NetDA5_5_2: DA5_5.2 R35_5.2
NetDA5_5_4: DA5_5.4 R38_5.2
NetDA5_6_2: DA5_6.2 R35_6.2
NetDA5_6_4: DA5_6.4 R38_6.2
NetDA5_7_2: DA5_7.2 R35_7.2
NetDA5_7_4: DA5_7.4 R38_7.2
NetDA6_1_2: DA6_1.2 R36_1.2
NetDA6_1_4: DA6_1.4 R39_1.2
NetDA6_1_6: DA6_1.6 DA6_1.7 R41_1.2 R43_1.1
NetDA6_2_2: DA6_2.2 R36_2.2
NetDA6_2_4: DA6_2.4 R39_2.2
NetDA6_2_6: DA6_2.6 DA6_2.7 R41_2.2 R43_2.1
NetDA6_3_2: DA6_3.2 R36_3.2
NetDA6_3_4: DA6_3.4 R39_3.2
NetDA6_3_6: DA6_3.6 DA6_3.7 R41_3.2 R43_3.1
NetDA6_4_2: DA6_4.2 R36_4.2
NetDA6_4_4: DA6_4.4 R39_4.2
NetDA6_4_6: DA6_4.6 DA6_4.7 R41_4.2 R43_4.1
NetDA6_5_2: DA6_5.2 R36_5.2
NetDA6_5_4: DA6_5.4 R39_5.2
NetDA6_5_6: DA6_5.6 DA6_5.7 R41_5.2 R43_5.1
NetDA6_6_2: DA6_6.2 R36_6.2
NetDA6_6_4: DA6_6.4 R39_6.2
NetDA6_6_6: DA6_6.6 DA6_6.7 R41_6.2 R43_6.1
NetDA6_7_2: DA6_7.2 R36_7.2
NetDA6_7_4: DA6_7.4 R39_7.2
NetDA6_7_6: DA6_7.6 DA6_7.7 R41_7.2 R43_7.1
NetDA7_1_2: DA7_1.2 R37_1.2
NetDA7_1_4: DA7_1.4 R40_1.2
NetDA7_2_2: DA7_2.2 R37_2.2
NetDA7_2_4: DA7_2.4 R40_2.2
NetDA7_3_2: DA7_3.2 R37_3.2
NetDA7_3_4: DA7_3.4 R40_3.2
NetDA7_4_2: DA7_4.2 R37_4.2
NetDA7_4_4: DA7_4.4 R40_4.2
NetDA7_5_2: DA7_5.2 R37_5.2
NetDA7_5_4: DA7_5.4 R40_5.2
NetDA7_6_2: DA7_6.2 R37_6.2
NetDA7_6_4: DA7_6.4 R40_6.2
NetDA7_7_2: DA7_7.2 R37_7.2
NetDA7_7_4: DA7_7.4 R40_7.2
NetDA8_4: DA8.4 R45.2 R45.3 R47.1
NetDA8_5: DA8.5 R44.1
NetDD1_1: DD1.1 SB1.1
NetDD1_2: DD1.2 DD1.3 SB2.1
NetDD1_4: DD1.4 SB3.1
NetDD2_3: DD2.3 DD4.6
NetDD2_4: DD2.4 DD2.5 DD4.7
NetDD2_6: DD2.6 DD4.8
NetDD3_3: DD3.3 DD4.2
NetDD3_4: DD3.4 DD4.1
NetDD4_10: DD4.10 DD5.14
NetDD4_13: DD4.13 DD5.11 DD6.11
NetDD4_14: DD4.14 DD7.11
NetDD4_15: DD4.15 DD7.10
NetDD4_16: DD4.16 DD7.9
NetDD4_24: DD4.24 SB1.2
NetDD4_25: DD4.25 SB2.2
NetDD4_26: DD4.26 SB3.2
NetDD5_9: DD5.9 DD6.14
NetDD9_3: DD9.3 R48.1 R49.2
NetF1_1: F1.1 X1.P
NetR5_1: R5.1 R6.2 U1.1
NetR10_2: R10.2 VD5.1 VT1.1
NetR11_1: R11.1 VT1.2
NetR20_2: R20.2 XP1.A8
NetR21_2: R21.2 XP1.A10
NetR22_2: R22.2 XP1.A11
NetR23_2: R23.2 XP1.A12
NetR24_2: R24.2 XP1.A13
NetR25_2: R25.2 XP1.A14
NetR26_2: R26.2 XP1.A15
NetR32_1_1: R32_1.1 R34_1.1 R34_1.2
NetR32_2_1: R32_2.1 R34_2.1 R34_2.2
NetR32_3_1: R32_3.1 R34_3.1 R34_3.2
NetR45_1: R45.1 R46.2
NetR49_1: R49.1 R50.2 R50.3
panel_1: DA5_1.5 DA5_1.8 DA6_1.5 DA6_1.8 DA7_1.6 DA7_1.7 XP1.B1 XP1.B2
panel_2: DA5_2.5 DA5_2.8 DA6_2.5 DA6_2.8 DA7_2.6 DA7_2.7 XP1.B3 XP1.B4
panel_3: DA5_3.5 DA5_3.8 DA6_3.5 DA6_3.8 DA7_3.6 DA7_3.7 XP1.B5 XP1.B6
panel_4: DA5_4.5 DA5_4.8 DA6_4.5 DA6_4.8 DA7_4.6 DA7_4.7 XP1.B7 XP1.B8
panel_5: DA5_5.5 DA5_5.8 DA6_5.5 DA6_5.8 DA7_5.6 DA7_5.7 XP1.B9 XP1.B10
panel_6: DA5_6.5 DA5_6.8 DA6_6.5 DA6_6.8 DA7_6.6 DA7_6.7 XP1.B11 XP1.B12
panel_7: DA5_7.5 DA5_7.8 DA6_7.5 DA6_7.8 DA7_7.6 DA7_7.7 XP1.B13 XP1.B14
reset: DD4.12 DD4.28
RS485_1_N: D2.1 DD2.13 R2.1 R17.1
RS485_1_P: D2.2 DD2.12 R2.2 R16.1
RS485_1r_N: R17.2 XP1.A5
RS485_1r_P: R16.2 XP1.A4
RS485_2_N: D1.2 DD1.7 R1.2 R18.1
RS485_2_P: D1.1 DD1.6 R1.1 R19.1
RS485_2r_N: R18.2 XP1.A6
RS485_2r_P: R19.2 XP1.A7
voltage_1: DD7.13 R41_1.1 R42_1.2
voltage_2: DD7.14 R41_2.1 R42_2.2
voltage_3: DD7.15 R41_3.1 R42_3.2
voltage_4: DD7.12 R41_4.1 R42_4.2
voltage_5: DD7.1 R41_5.1 R42_5.2
voltage_6: DD7.2 R41_6.1 R42_6.2
voltage_7: DD7.5 R41_7.1 R42_7.2
pads on no net: DD2.8 DD2.10 DD2.11 DD2.14 DD2.15 DD3.1 DD3.5 DD3.8 DD4.3 DD4.18 DD4.30 DD6.5 DD6.6 DD6.7 DD6.9 DD8. DD8.NC DD9.6 X1.S1 X1.S2 XP1.

## Silkscreen, mask and mechanical layers (free items; w line width, h text height)
Mechanical 1:
  the board outline again, w0.254

## Text inside footprints (layer, text, board x,y; h text height)
DD3: Top Overlay "rst" at 32.345,71.037 h1.52; Top Overlay "GND" at 32.345,73.577 h1.52; Top Overlay "rx" at 32.345,76.117 h1.52; Top Overlay "tx" at 32.345,78.657 h1.52; Top Overlay "VDD" at 32.345,81.197 h1.52; Top Overlay "GND" at 32.345,83.737 h1.52; Top Overlay "5v" at 32.345,86.023 h1.52
XP1: Top 3D Body "PCB EDGE" at 94.74,77.5 h1 r90